# Allegro board 9823-layout.brd
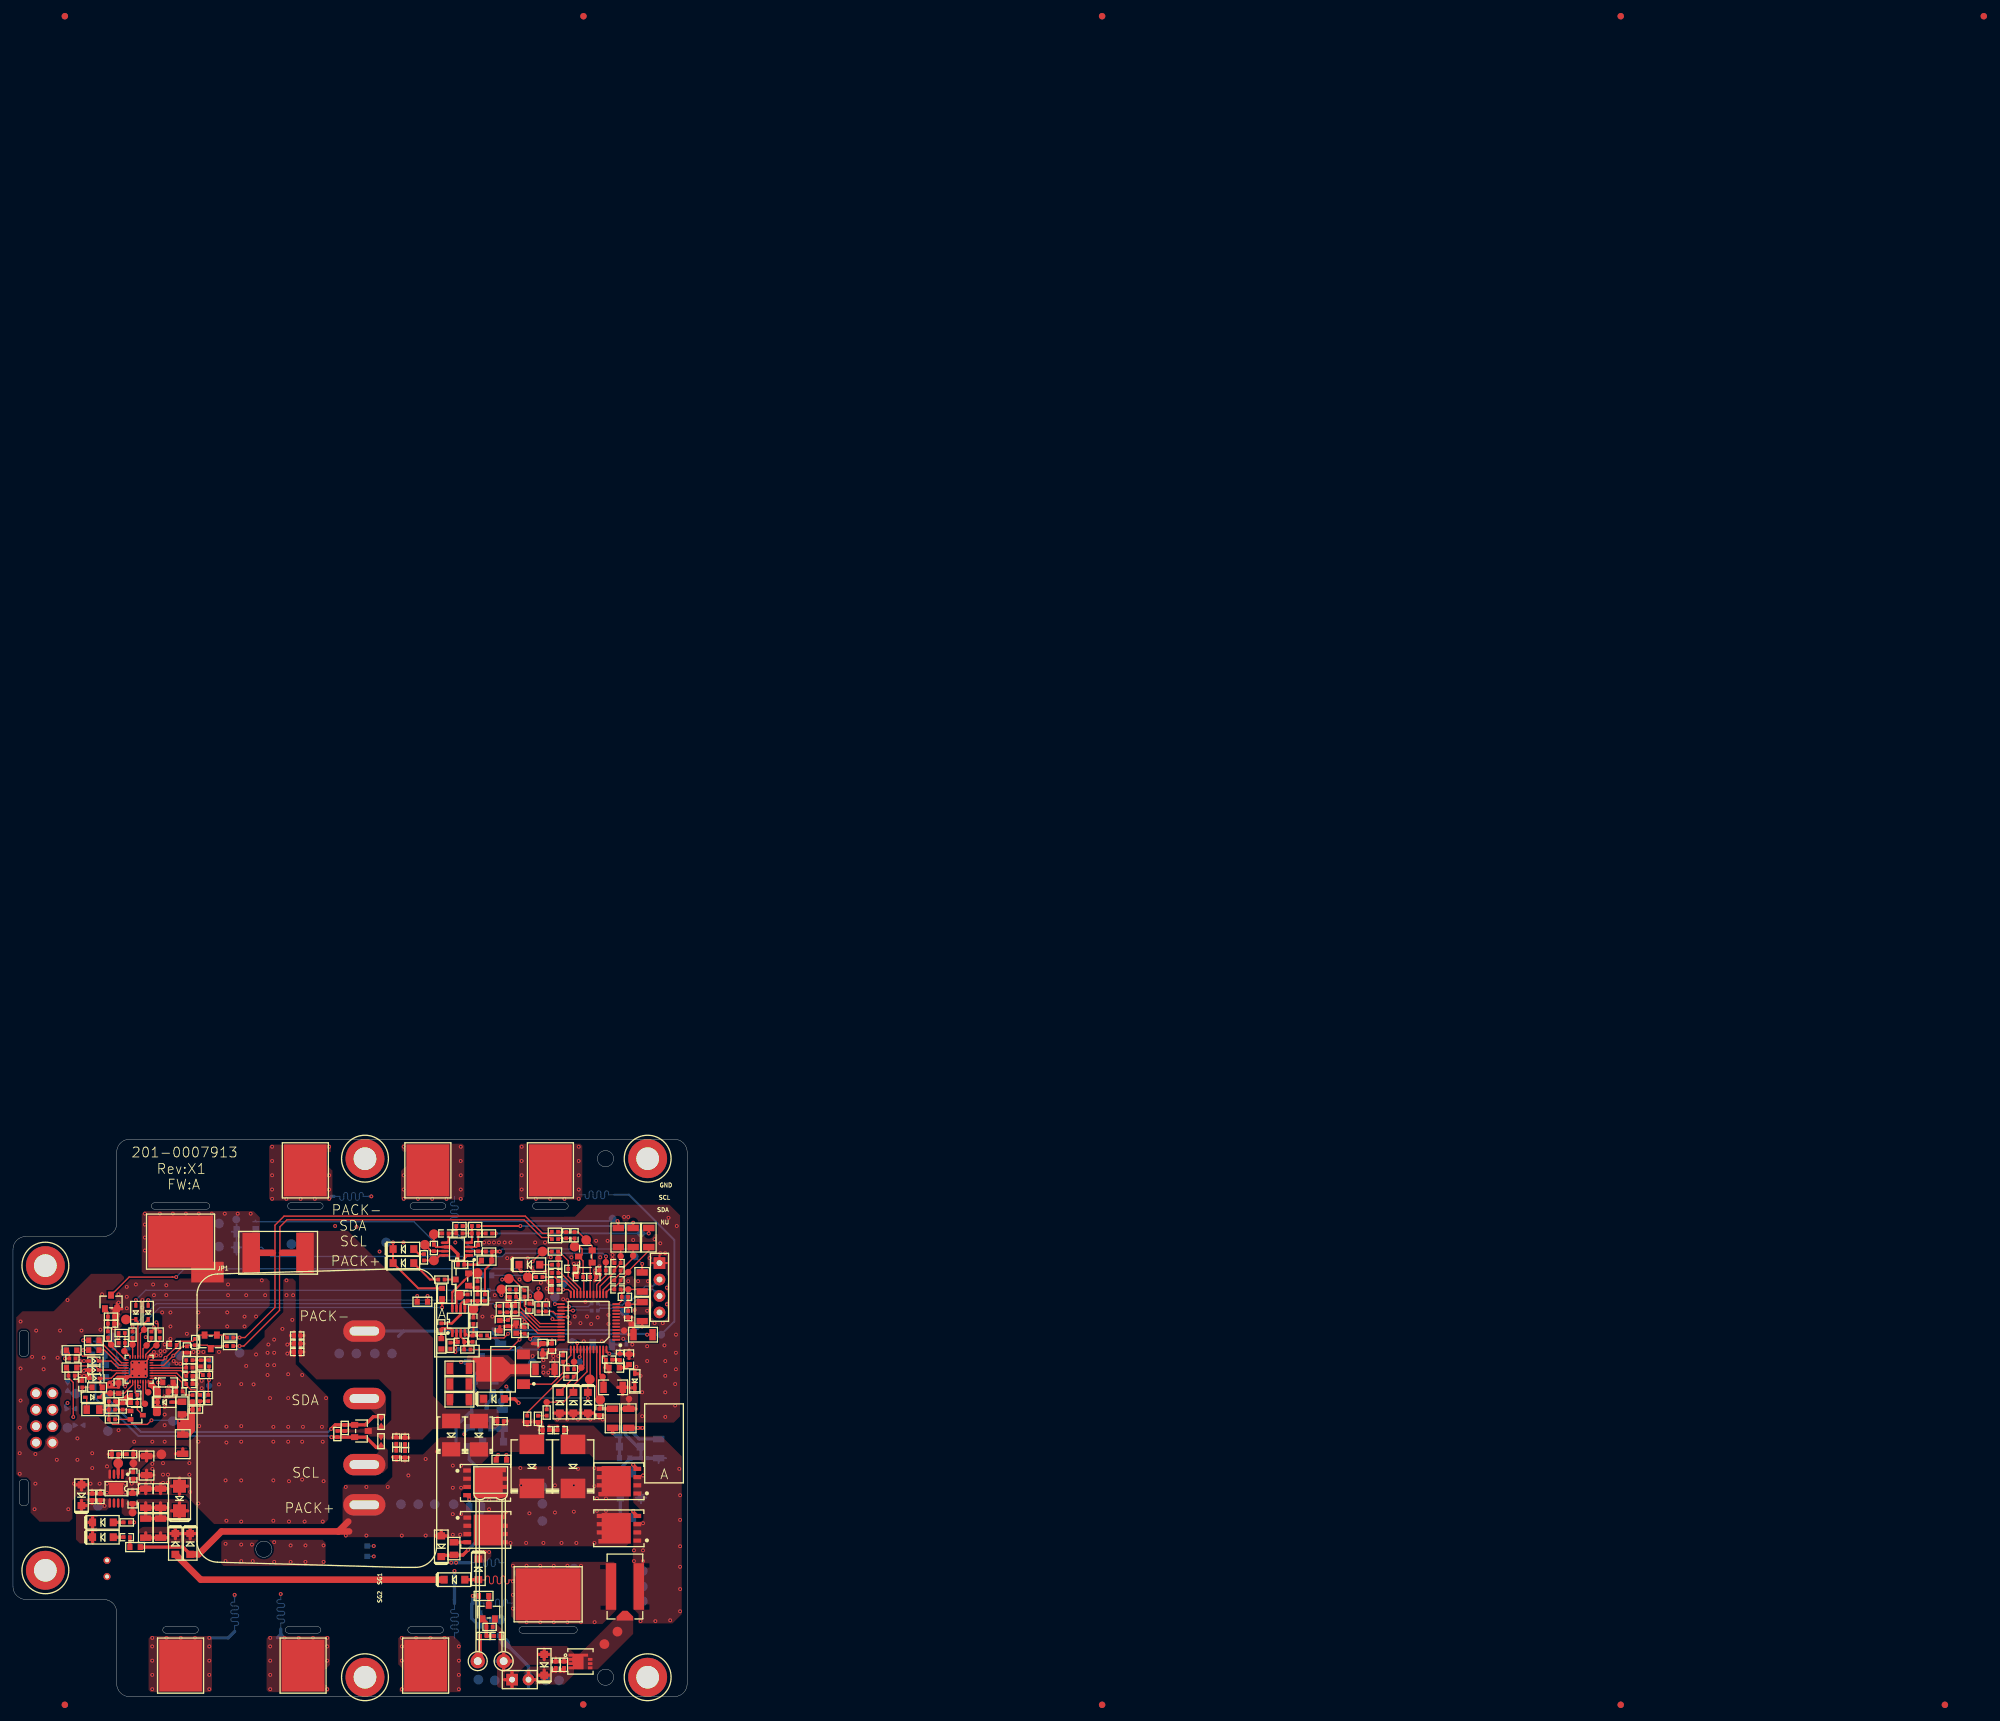
[diagram p0: board, top side]
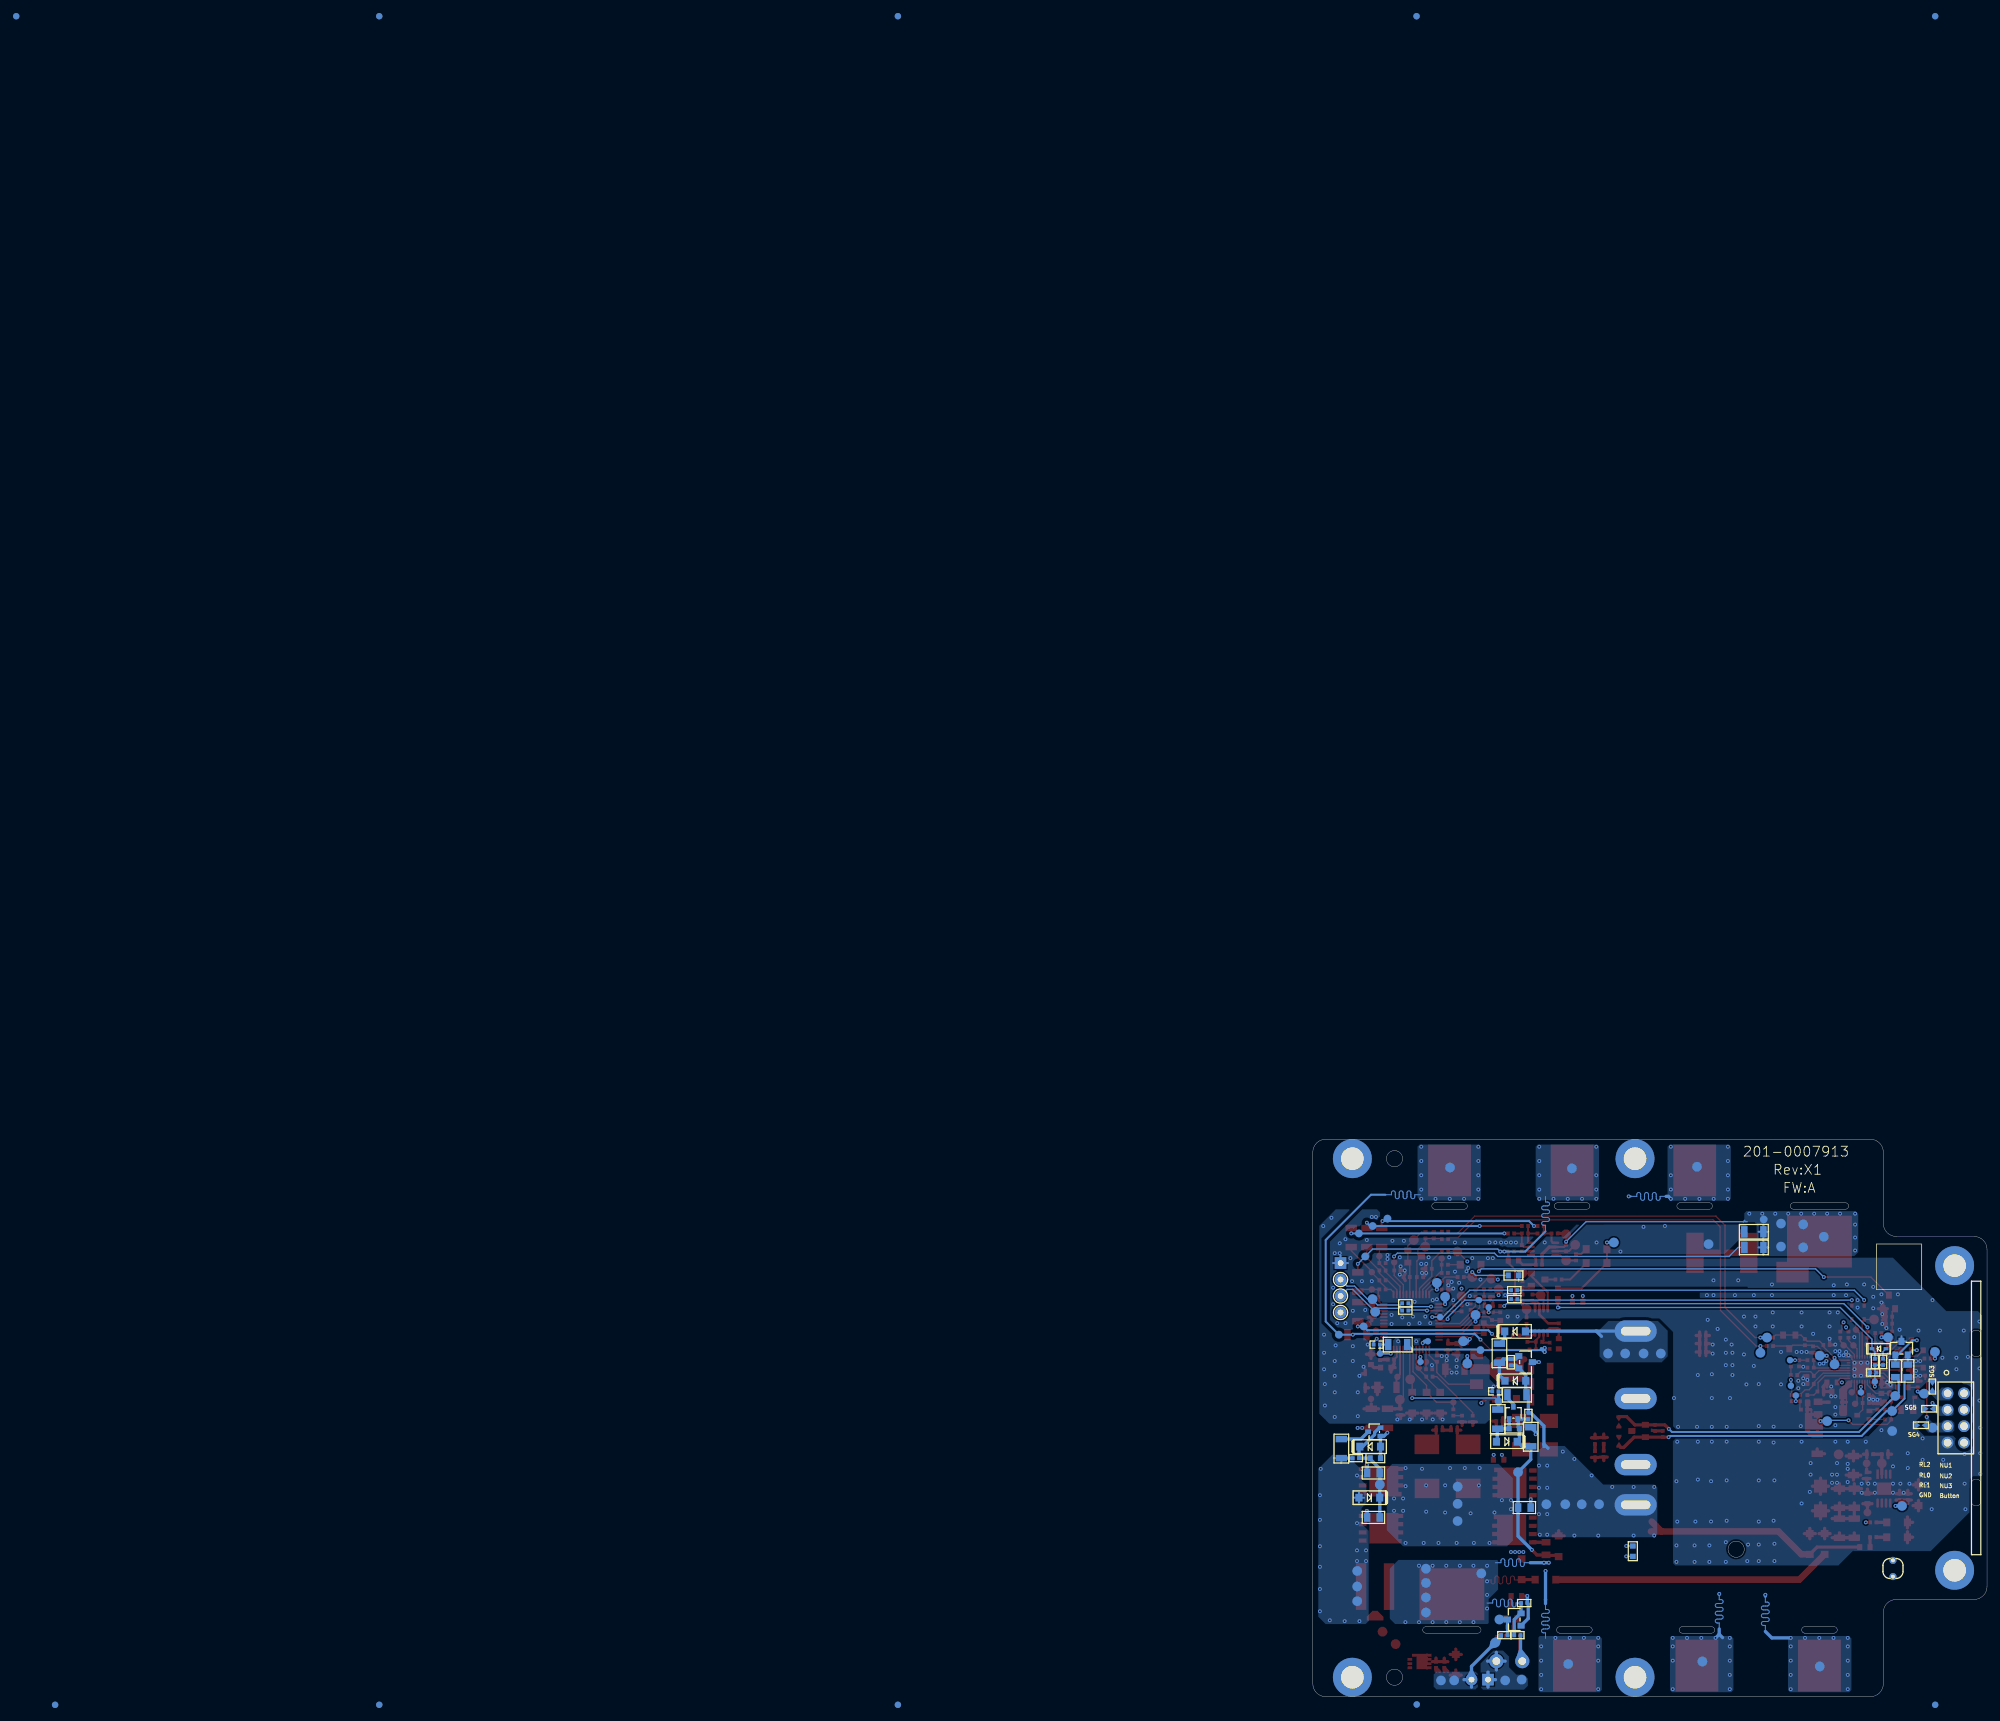
[diagram p1: board, bottom side, seen from below]

Outline 104 x 86 mm; copper layers: TOP, L2, L3, BOTTOM. Coordinates in mm from the lower left corner of the outline.
Outline path: circle c38.7,22.75 r1.25 ; circle c91.4,83 r1.25 ; circle c91.4,3 r1.25 ; 0,69 0,17 arc(0.59,15.59) 2,15 14,15 arc(15.41,14.41) 16,13 16,2 arc(16.59,0.59) 18,0 102,0 arc(103.41,0.59) 104,2 104,84 arc(103.41,85.41) 102,86 18,86 arc(16.59,85.41) 16,84 16,73 arc(15.41,71.59) 14,71 2,71 arc(0.59,70.41) 0,69 ; 0.98,56 arc(1.13,56.35) 1.48,56.5 1.88,56.5 arc(2.23,56.35) 2.38,56 2.38,53 arc(2.23,52.65) 1.88,52.5 1.48,52.5 arc(1.13,52.65) 0.98,53 0.98,56 ; 0.98,33 arc(1.13,33.35) 1.48,33.5 1.88,33.5 arc(2.23,33.35) 2.38,33 2.38,30 arc(2.23,29.65) 1.88,29.5 1.48,29.5 arc(1.13,29.65) 0.98,30 0.98,33 ; 21.85,75.2 arc(21.35,75.7) 21.85,76.2 29.85,76.2 arc(30.35,75.7) 29.85,75.2 21.85,75.2 ; 23.6,9.8 arc(23.1,10.3) 23.6,10.8 28.1,10.8 arc(28.6,10.3) 28.1,9.8 23.6,9.8 ; 42.5,9.8 arc(42,10.3) 42.5,10.8 47,10.8 arc(47.5,10.3) 47,9.8 42.5,9.8 ; 42.85,75.2 arc(42.35,75.7) 42.85,76.2 47.35,76.2 arc(47.85,75.7) 47.35,75.2 42.85,75.2 ; 51.95,56.55 arc(52.1,56.9) 52.45,57.05 55.95,57.05 arc(56.3,56.9) 56.45,56.55 56.45,56.25 arc(56.3,55.9) 55.95,55.75 52.45,55.75 arc(52.1,55.9) 51.95,56.25 51.95,56.55 ; 51.95,46.15 arc(52.1,46.5) 52.45,46.65 55.95,46.65 arc(56.3,46.5) 56.45,46.15 56.45,45.85 arc(56.3,45.5) 55.95,45.35 52.45,45.35 arc(52.1,45.5) 51.95,45.85 51.95,46.15 ; 51.95,35.95 arc(52.1,36.3) 52.45,36.45 55.95,36.45 arc(56.3,36.3) 56.45,35.95 56.45,35.65 arc(56.3,35.3) 55.95,35.15 52.45,35.15 arc(52.1,35.3) 51.95,35.65 51.95,35.95 ; 51.95,29.75 arc(52.1,30.1) 52.45,30.25 55.95,30.25 arc(56.3,30.1) 56.45,29.75 56.45,29.45 arc(56.3,29.1) 55.95,28.95 52.45,28.95 arc(52.1,29.1) 51.95,29.45 51.95,29.75 ; 61.4,9.8 arc(60.9,10.3) 61.4,10.8 65.9,10.8 arc(66.4,10.3) 65.9,9.8 61.4,9.8 ; 61.75,75.2 arc(61.25,75.7) 61.75,76.2 66.25,76.2 arc(66.75,75.7) 66.25,75.2 61.75,75.2 ; 78.55,9.8 arc(78.05,10.3) 78.55,10.8 86.55,10.8 arc(87.05,10.3) 86.55,9.8 78.55,9.8 ; 80.65,75.2 arc(80.15,75.7) 80.65,76.2 85.15,76.2 arc(85.65,75.7) 85.15,75.2 80.65,75.2

## Design rules (mm)
net group CLS2: nets CELL+7_PAD N29258 N29414 N29624 N29862 N30134 N30324
net group CLS3: nets CELL1+ CELL2+ CELL3+ CELL4+ CELL5+ CELL6+ VCELL+

## Placement (name value [footprint] x y rotation side)
C1  0.47uF/100V  [R-C-1206]  92.57 47.72 180 top
C2  2.2uF/50V  [R-C-0603]  92.74 50.77 0 top
C3  2200pF/50V  [R-C-0402]  91.95 52 0 top
C4  2.2uF/50V  [R-C-0603]  95.03 52.04 90 top
C5  2200pF/50V  [R-C-0402]  93.63 52.42 90 top
C6  1uF/100V  [R-C-1206]  82.07 50.51 0 top
C7  1000pF/50V  [R-C-0402]  77.12 61.69 180 top
C8  0.1uF/50V  [R-C-0402]  16.92 44.78 270 top
C9  2.2uF/16V  [R-C-0603]  81.7 53.67 270 top
C10  0.1uF/50V  [R-C-0402]  83.15 53.99 270 top
C11  0.1uF/50V  [R-C-0402]  74.71 9.37 0 top
C12  1000pF/25V  [R-C-0402]  9.17 52.16 0 top
C13  2.2uF/16V  [R-C-0603]  77.63 56.86 90 top
C14  0.1uF/50V  [R-C-0402]  78.92 56.49 90 top
C15  0.1uF/25V/FLEX  [R-C-0402]  94.14 54.32 0 bottom
C16  1000pF/25V  [R-C-0402]  9.05 49.53 0 top
C17  2.2uF/16V  [R-C-0603]  75.09 57.24 270 top
C18  0.1uF/50V  [R-C-0402]  76.36 57.63 270 top
C19  1000pF/25V  [R-C-0402]  10.7 48.2 90 top
C20  1000pF/25V  [R-C-0402]  16.79 54.58 180 top
C21  100pF/50V  [R-C-0402]  76.23 59.78 270 top
C25  1000pF/50V  [R-C-0402]  79.66 60.17 90 top
C29  1000pF/50V  [R-C-0402]  82.2 59.91 90 top
C31  0.1uF/25V/FLEX  [R-C-0402]  94.9 59.02 90 top
C34  0.1uF/25V/FLEX  [R-C-0402]  94.39 61.69 180 top
C38  0.1uF/25V/FLEX  [R-C-0402]  93.25 62.83 180 top
C40  0.1uF/25V/FLEX  [R-C-0402]  93.25 64.23 180 top
C41  2.2uF/6.3V  [R-C-0402]  83.64 62.81 180 top
C43  1000pF/50V  [R-C-0402]  86.14 66.01 0 top
C46  0.1uF/25V/FLEX  [R-C-0402]  93.25 65.75 180 top
C47  100pF/50V  [R-C-0402]  85.33 71.19 270 top
C48  0.1uF/50V  [R-C-0402]  86.62 71.19 270 top
C49  1000pF/50V  [R-C-0402]  83.64 64.1 180 top
C51  0.1uF/25V/FLEX  [R-C-0402]  93.25 66.9 180 top
C54  0.1uF/50V  [R-C-0402]  89.53 64.75 0 top
C55  0.1uF/50V  [R-C-0402]  87.46 64.73 180 top
C56  0.1uF/25V/FLEX  [R-C-0402]  90.96 65.75 180 top
C57  0.1uF/50V  [R-C-0402]  83.64 65.37 180 top
C58  0.1uF/50V  [R-C-0402]  84.49 41.12 180 top
C59  0.1uF/50V  [R-C-0402]  82.2 41.12 180 top
C60  0.1uF/50V  [R-C-0402]  60.47 37.4 90 top
C61  2200pF/50V  [R-C-0402]  59.13 37.46 90 top
C64  0.1uF/50V  [R-C-0402]  60.47 39.47 90 top
C65  2200pF/50V  [R-C-0402]  59.13 39.5 90 top
C66  0.1uF/25V/FLEX  [R-C-0402]  66.07 57.12 90 top
C67  0.47uF/25V  [R-C-0402]  70.13 61.56 270 top
C68  0.1uF/25V/FLEX  [R-C-0402]  69.12 54.75 0 top
C69  0.1uF/25V/FLEX  [R-C-0402]  70.9 55.23 90 top
C71  0.1uF/25V/FLEX  [R-C-0402]  71.02 58.01 90 top
C72  0.1uF/25V/FLEX  [R-C-0402]  69.12 66.64 180 top
C73  0.1uF/50V  [R-C-0402]  83.72 4.92 90 top
C74  0.47uF/25V  [R-C-0402]  64.93 69.22 90 top
C75  0.1uF/25V/FLEX  [R-C-0402]  71.76 69.18 90 top
C76  NU  [R-C-0402]  90.45 43.94 270 top
C77  0.1uF/25V/FLEX  [R-C-0402]  71.28 71.47 180 top
C78  0.1uF/25V/FLEX  [R-C-0402]  66.71 71.47 0 top
C79  NU  [R-C-0402]  75.84 47.11 0 bottom
C80  0.1uF/25V/FLEX  [R-C-0402]  68.86 71.47 180 top
C81  1uF/25V/FLEX  [R-C-0603]  16.29 47.59 90 top
C82  NU  [R-C-0402]  18.7 46.58 0 top
C83  1uF/25V/FLEX  [R-C-0603]  23.14 47.08 0 top
C84  2.2uF/25V  [R-C-0603]  23.91 48.48 180 top
C85  2.2uF/100V  [R-C-1206]  22.76 30.62 90 top
C86  NU  [R-C-1206]  20.48 30.62 90 top
C87  0.1uF/100V  [R-C-0603]  18.45 30.57 90 top
C89  10uF/25V  [R-C-1206]  20.6 35.65 270 top
C90  0.1uF/50V  [R-C-0402]  18.57 34.13 270 top
C91  1000pF/50V  [R-C-0402]  13.49 30.83 90 top
C92  0.1uF/50V  [R-C-0402]  17.56 24.61 180 top
C93  0.1uF/25V  [R-C-0402]  27.21 50.77 180 top
C94  0.1uF/25V  [R-C-0402]  27.21 49.5 0 top
C95  0.1uF/25V  [R-C-0402]  27.21 48.23 0 top
C96  0.1uF/25V  [R-C-0402]  25.68 47.08 180 top
C100  NU  [R-C-0402]  43.85 54.47 180 top
C101  NU  [R-C-0402]  43.85 55.72 180 top
C106  1000pF/50V  [R-C-0402]  43.85 53.18 180 top
C107  0.1uF/25V  [R-C-0402]  28.1 54.7 270 top
C109  0.1uF/25V  [R-C-0402]  24.76 54.27 180 top
C110  0.1uF/25V  [R-C-0402]  26.83 53.56 270 top
C111  1000pF/50V  [R-C-0402]  15.12 57.55 180 top
CELL+1  PACK therminal 1pin  [O-PAD-R800X660-NP]  25.85 4.8 0 top
CELL+2  PACK therminal 1pin  [O-PAD-R800X660-NP]  45.1 81.2 0 top
CELL+3  PACK therminal 1pin  [O-PAD-R800X660-NP]  44.75 4.8 0 top
CELL+4  PACK therminal 1pin  [O-PAD-R800X660-NP]  64 81.2 0 top
CELL+5  PACK therminal 1pin  [O-PAD-R800X660-NP]  63.65 4.8 0 top
CELL+6  PACK therminal 1pin  [O-PAD-R800X660-NP]  82.9 81.2 0 top
CELL+7  PACK therminal 1pin  [O-PAD-R1000X800-NP]  82.55 15.8 270 top
CELL-1  PACK therminal 1pin  [O-PAD-R1000X800-NP]  25.85 70.2 90 top
D1  1N4148W-7-F  [R-SOD-123]  74.2 45.94 180 top
D2  1N4148W-7-F  [R-SOD-123]  71.79 19.65 90 top
D3  NU  [R-SOD-123]  86.45 45.35 90 top
D4  NU  [R-SOD-123]  84.36 45.35 90 top
D5  NU  [R-SOD-323]  95.92 48.74 270 top
D6  NU  [R-SOD-123]  88.68 45.35 90 top
D7  MMSZ5246B-7-F  [R-SOD-123]  10.57 31.08 270 top
D8  SMBJ58A-13-F  [R-SMB]  67.59 40.35 270 top
D9  SMBJ58A-13-F  [R-SMB]  71.87 40.34 270 top
D10  NU  [R-SOD-523]  12.48 51.78 0 top
D11  PESD5V0U2BT  [R-SOT-23-K1K2K3]  13.19 53.76 180 bottom
D13  NU  [R-SOD-523]  12.48 50.39 0 top
D14  NU  [R-SOD-523]  12.6 49.12 0 top
D15  NU  [R-SOT-23-K1K2K3]  53.75 40.99 270 top
D16  BAV99LT1G  [R-SOT-23-AK2K1]  88.3 67.91 90 top
D17  1N4148W-7-F  [R-SOD-123]  79.66 66.64 180 top
D18  NU  [R-SMC]  86.39 35.53 270 top
D19  NU  [R-SMC]  80.04 35.53 270 top
D20  MMSZ5246B-7-F  [R-SOD-123]  72.76 48.74 0 bottom
D27  MMSZ5246B-7-F  [R-SOD-123]  66.07 23.21 270 top
D28  1N4148W-7-F  [R-SOD-123]  60.23 66.9 180 top
D30  MMSZ5246B-7-F  [R-SOD-123]  95.28 30.7 180 bottom
D31  1N4148W-7-F  [R-SOD-123]  72.8 56.36 0 bottom
D32  1N4148W-7-F  [R-SOD-123]  95.15 38.58 0 bottom
D33  MMSZ5246B-7-F  [R-SOD-123]  81.95 4.92 270 top
D34  1N4148W-7-F  [R-SOD-123]  60.23 69.06 180 top
D35  1N4148W-7-F  [R-SOD-123]  74.07 39.34 180 bottom
D36  LBAT54HT1G  [R-SOD-323]  12.24 46.2 0 top
D37  NU  [R-SOD-323]  16.67 53.69 0 bottom
D38  LBAT54HT1G  [R-SOD-323]  23.4 45.43 180 top
D39  1N4148W-7-F  [R-SOD-123]  68.1 18.05 180 top
D40  1N4148W-7-F  [R-SOD-123]  25.05 23.56 90 top
D41  NU  [R-SMA]  25.68 30.57 270 top
D42  1N4148W-7-F  [R-SOD-123]  27.34 23.56 90 top
D44  1N4148W-7-F  [R-SOD-123]  13.87 26.89 180 top
D45  1N4148W-7-F  [R-SOD-123]  13.87 24.61 180 top
D47  BAV99LT1G  [R-SOT-23-AK2K1]  30.51 54.74 180 top
D50  LBAT54HT1G  [R-SOD-323]  18.95 59.28 270 top
D51  LBAT54HT1G  [R-SOD-323]  20.86 59.28 270 top
F1  N5F  [W-F-2-400-3000X520X200-B]  73.69 20.49 0 top
F4  D6SE09-30  [R-F-3-950X500X200]  94.4 17 90 top
FCT2  0.15mm/2OZ  [O-F-2-560X160-2OZ-15]  73.18 20.67 180 bottom
FCT3  0.15mm/2OZ  [O-F-2-560X160-2OZ-15]  90.07 77.44 0 bottom
FCT4  0.15mm/2OZ  [O-F-2-560X160-2OZ-15]  68.1 11.65 90 bottom
FCT5  0.15mm/2OZ  [O-F-2-560X160-2OZ-15]  68.1 74.52 270 bottom
FCT6  0.15mm/2OZ  [O-F-2-560X160-2OZ-15]  41.31 13.18 90 bottom
FCT7  0.15mm/2OZ  [O-F-2-560X160-2OZ-15]  52.23 77.18 0 bottom
FCT8  0.15mm/2OZ  [O-F-2-560X160-2OZ-15]  34.19 12.79 90 bottom
FCT9  0.2mm/1OZ  [O-F-2-560X160-2OZ-15]  74.71 18 0 top
FCT10  0.2mm/1OZ  [O-F-2-560X160-2OZ-15]  74.45 14.45 180 bottom
J2  BQ769142_Pro_PORT  [SIP4-2R54]  99.73 66.9 270 top
J3  output  [W-CON-8-254-998X500X254]  4.82 43 270 bottom
J4  output  [W-CON-4-4560X3646X2380]  46.87 43 0 top
J5  JUMP  [SIP2-2R54]  76.98 2.63 0 top
JP1  Point Grounding  [O-PAD-JUMP]  30 65.5 90 top
NOREF  -  [unnamed]  97.9 83 0 top
NOREF#2  -  [unnamed]  5 66.5 0 top
NOREF#3  -  [unnamed#2]  168 -1.25 0 top
NOREF#4  -  [unnamed]  97.9 3 0 top
NOREF#5  -  [unnamed]  5 19.5 0 top
NOREF#6  -  [unnamed#2]  304 259.25 0 top
NOREF#7  -  [unnamed]  54.3 3 0 top
NOREF#8  -  [unnamed#2]  88 259.25 0 top
NOREF#9  -  [#3]  5.69 258 90 top
NOREF#10  -  [unnamed]  54.3 83 0 top
NOREF#11  -  [unnamed#2]  8 259.25 0 top
NOREF#12  -  [#3]  0 44.22 0 top
NOREF#13  -  [unnamed#2]  298 -1.25 0 top
NOREF#14  -  [unnamed#2]  87.97 -1.2 0 top
NOREF#15  -  [unnamed#2]  168 259.25 0 top
NOREF#16  -  [#3]  0 -1.75 0 top
NOREF#17  -  [#3]  38.86 0 90 top
NOREF#18  -  [#3]  11.89 -5 90 top
NOREF#19  -  [#3]  3.49 -3.5 0 top
NOREF#20  -  [unnamed#2]  8 -1.25 0 top
NOREF#21  -  [unnamed#2]  248 -1.25 0 top
NOREF#22  -  [unnamed#2]  248 259.25 0 top
NOREF#23  -  [unnamed#2]  248 -1.25 180 bottom
NOREF#24  -  [unnamed#2]  8 259.25 180 bottom
NOREF#25  -  [unnamed#2]  248 259.25 180 bottom
NOREF#26  -  [unnamed#2]  304 259.25 180 bottom
NOREF#27  -  [unnamed#2]  298 -1.25 180 bottom
NOREF#28  -  [unnamed#2]  168 259.25 180 bottom
NOREF#29  -  [unnamed#2]  87.97 -1.2 180 bottom
NOREF#30  -  [unnamed#2]  88 259.25 180 bottom
NOREF#31  -  [unnamed#2]  8 -1.25 180 bottom
NOREF#32  -  [unnamed#2]  168 -1.25 180 bottom
NTC1  MF52D-103F3435FBL25  [W-NTC-2-250-260X260X2500]  14.51 19.78 270 bottom
NTC2  103KT1608T1P  [R-R-0603]  73.06 64.99 0 bottom
NTC3  103KT1608T1P  [R-R-0603]  54.64 22.45 90 bottom
NTC4  103KT1608T1P  [R-R-0603]  63.15 60.93 0 top
NTC5  103KT1608T1P  [R-R-0603]  75.34 36.54 0 top
Q1  BCP56-10T1G  [R-SOT-223-BCE]  75.6 50.51 90 top
Q2  NU  [R-SO-8-127-615X515X100-1]  93.48 25.98 90 top
Q3  SMMBT3906WT1G  [R-SOT-323-BEC]  19.08 43.43 270 top
Q4  MMBTA56LT1G  [R-SOT-23-BEC]  72.93 11.91 90 bottom
Q5  BSS123-7-F  [R-SOT-23-GSD]  73.39 13.05 0 top
Q10  BSC014N06NS  [R-SO-8-127-615X515X100-1]  72.87 32.99 270 top
Q11  NU  [R-SO-8-127-615X515X100-1]  72.9 25.73 270 top
Q12  BSS123-7-F  [R-SOT-23-GSD]  71.18 51.62 270 bottom
Q13  SMMBT3906WT1G  [R-SOT-323-BEC]  73.06 43.78 180 bottom
Q14  MMBTA56LT1G  [R-SOT-23-BEC]  69.25 64.36 90 top
Q15  SMMBT3906WT1G  [R-SOT-323-BEC]  94.52 40.86 90 bottom
Q16  BSC014N06NS  [R-SO-8-127-615X515X100-1]  93.48 33.24 90 top
Q18  BSZ063N04LS6  [R-TSDSON-8]  87.53 5.43 270 top
Q19  NDS331N  [R-SOT-23-GSD]  15.13 60.9 0 top
R1  4.99K  [R-R-0402]  80.98 42.87 270 top
R2  4.99K  [R-R-0402]  79.33 42.87 270 top
R3  4.99K  [R-R-0402]  82.33 43.84 270 top
R4  4.99K  [R-R-0402]  86.01 49.37 180 top
R5  NU  [R-R-1206]  68.86 48.23 0 top
R6  221  [R-R-1206]  68.86 45.81 0 top
R7  100  [R-R-1206]  94.98 42.94 90 top
R8  221  [R-R-1206]  68.86 50.64 180 top
R9  10K  [R-R-0402]  86.06 50.51 0 top
R10  10K  [R-R-0402]  16.77 56.1 0 top
R11  NU  [R-R-0402]  84.87 52.16 270 top
R12  4.7  [R-R-0402]  77.11 62.82 0 top
R14  100K  [R-R-0402]  15.27 42.78 180 top
R15  20  [R-R-1206]  90.91 54.32 0 bottom
R16  100K  [R-R-0402]  15.27 44.29 180 top
R17  1M  [R-R-0402]  15.27 45.56 180 top
R18  1M  [R-R-0402]  18.7 45.31 0 top
R19  100  [R-R-0402]  75.09 59.78 90 top
R20  100K  [R-R-0402]  77.5 59.78 270 top
R21  100  [R-R-1206]  97.19 55.85 180 top
R22  10K  [R-R-0603]  66.2 62.2 90 top
R23  100  [R-R-0603]  12.98 47.72 180 top
R24  100  [R-R-0603]  9.05 50.77 180 top
R25  4.7  [R-R-0402]  78.9 62.2 270 top
R26  100  [R-R-1206]  97.06 59.4 90 top
R27  100  [R-R-0603]  9.05 53.43 180 top
R28  100  [R-R-0402]  72.93 61.33 180 bottom
R29  1M  [R-R-0402]  75.21 42.51 0 top
R30  100K  [R-R-0402]  74.45 9.49 0 bottom
R31  100  [R-R-0402]  72.93 62.71 180 bottom
R32  100  [R-R-1206]  97.06 63.98 270 top
R33  4.7  [R-R-0402]  81.06 59.91 270 top
R34  2M  [R-R-0402]  73.52 10.76 0 top
R37  100K  [R-R-0402]  72.55 9.37 0 top
R38  49.9  [R-R-0402]  89.74 59.56 0 bottom
R39  1K  [R-R-0402]  71.39 14.45 180 bottom
R40  49.9  [R-R-0402]  89.74 60.69 0 bottom
R41  100  [R-R-1206]  98.07 70.83 270 top
R42  10K  [R-R-0603]  72.59 15.54 0 top
R43  4.02M  [R-R-0402]  72.44 9.49 0 bottom
R44  100K  [R-R-0402]  84.99 4.92 90 top
R45  1M  [R-R-0402]  50.04 40.52 270 top
R46  100  [R-R-1206]  95.66 70.83 270 top
R47  1M  [R-R-0402]  51.18 41.45 90 top
R50  4.7  [R-R-0402]  83.6 68.67 0 top
R51  100  [R-R-1206]  93.38 70.83 270 top
R53  4.7  [R-R-0402]  81.18 64.74 0 top
R56  100  [R-R-1206]  35.97 69.31 0 bottom
R57  10K  [R-R-0402]  83.64 66.64 180 top
R58  10  [R-R-1206]  35.97 71.72 0 bottom
R59  100  [R-R-0402]  83.59 71.73 0 top
R60  100  [R-R-0402]  83.61 70.58 0 top
R61  3M  [R-R-0402]  73.46 51.6 270 bottom
R62  1K  [R-R-1206]  72.51 46.58 180 bottom
R63  10  [R-R-0805]  94.65 34.51 180 bottom
R64  10  [R-R-0805]  71.36 29.18 180 bottom
R65  100  [R-R-1206]  99.6 38.27 270 bottom
R67  3M  [R-R-0402]  97.37 36.8 0 bottom
R68  30.1K  [R-R-1206]  75.21 52.98 270 bottom
R69  100  [R-R-0603]  66.07 54.45 270 top
R70  3M  [R-R-0402]  70.75 43.31 90 bottom
R71  1M  [R-R-0402]  71.66 63.59 270 top
R72  1K  [R-R-0402]  67.47 54.14 90 top
R73  10K  [R-R-0603]  72.93 41.37 0 bottom
R74  510  [R-R-1206]  70.39 40.1 90 bottom
R75  1K  [R-R-0402]  70.09 53.56 180 top
R76  3M  [R-R-0402]  71.66 61.56 270 top
R77  100K  [R-R-0402]  66.09 64.36 0 top
R78  1K  [R-R-0402]  72.65 55.72 180 top
R79  0  [R-R-0402]  72.8 61.56 90 top
R80  10K  [R-R-0603]  94.35 36.8 180 bottom
R81  NU  [R-R-0805]  94.65 27.65 180 bottom
R82  NU  [R-R-0805]  68.02 22.85 90 top
R84  100  [R-R-0603]  73.06 67.28 0 top
R85  20K  [R-R-0402]  63.4 67.79 90 top
R86  5.1K  [R-R-1206]  92.48 42.94 90 top
R87  1K  [R-R-0402]  73.44 68.67 180 top
R89  10K  [R-R-1206]  75.47 42.82 90 bottom
R90  1K  [R-R-0402]  73.41 71.47 180 top
R91  10  [R-R-0805]  12.35 44.29 180 top
R92  1K  [R-R-0402]  71.28 72.61 180 top
R93  1K  [R-R-0402]  68.86 72.61 0 top
R94  NU  [R-R-0402]  16.03 51.66 90 bottom
R95  5.1K  [R-R-0402]  17.3 51.66 90 bottom
R97  NU  [R-R-0402]  17.56 50.01 0 bottom
R99  10  [R-R-0805]  26.07 44.53 270 top
R101  20  [R-R-1206]  20.48 26 90 top
R102  1  [R-R-1206]  26.19 38.96 90 top
R103  100  [R-R-0402]  27.72 46.05 90 top
R104  20  [R-R-1206]  22.76 26 90 top
R105  7.15M  [R-R-0402]  18.06 37.41 0 top
R106  1M  [R-R-0402]  28.22 44.29 180 top
R107  100  [R-R-0402]  28.86 46.07 90 top
R108  1M  [R-R-0402]  30.13 46.07 270 top
R110  100  [R-R-0402]  29.77 49.62 180 top
R111  10K  [R-R-0402]  17.56 26.89 180 top
R112  619K  [R-R-0402]  15.75 37.41 0 top
R113  1M  [R-R-0402]  30.26 51.43 270 top
R115  1M  [R-R-0402]  12.22 30.83 270 top
R116  100  [R-R-0402]  27.21 51.91 180 top
R118  100K  [R-R-0603]  18.84 23.08 180 top
R119  1M  [R-R-0402]  28.99 51.43 90 top
R120  22  [R-R-0603]  12.48 53.46 0 top
R121  22  [R-R-0805]  12.22 50.26 90 bottom
R122  22  [R-R-0603]  12.48 54.98 0 top
R123  22  [R-R-0805]  14.14 50.26 90 bottom
R127  1K  [R-R-0402]  14.64 55.87 90 top
R128  49.9  [R-R-0402]  18.45 55.85 90 top
R130  100  [R-R-0402]  33.5 55.41 180 top
R131  100  [R-R-0402]  33.49 54.09 180 top
R132  49.9  [R-R-0402]  22.64 55.85 270 top
R133  49.9  [R-R-0402]  21.37 55.85 270 top
R134  2M  [R-R-0402]  15.12 58.63 180 top
RS1  1m  [R-R-3921-92]  40.9 68.48 180 top
SG1  Spark Gap  [O-PSK-2-230X100]  56.8 42.39 270 top
SG2  Spark Gap  [O-PSK-2-230X100]  56.78 39.41 90 top
SG3  Spark Gap  [O-PSK-2-230X100]  8.43 47.85 90 bottom
SG4  Spark Gap  [O-PSK-2-230X100]  10.19 41.88 0 bottom
SG5  Spark Gap  [O-PSK-2-230X100]  8.92 44.42 0 bottom
TA1  Test Point  [O-TP100]  95.03 45.94 180 top
TA2  Test Point  [O-TP100]  90.95 49.35 180 top
TA3  Test Point  [O-TP100]  71.4 52.04 180 top
TA4  Test Point  [O-TP100]  82.33 45.43 180 top
TA5  Test Point  [O-TP100]  87.66 50.77 180 top
TA6  Test Point  [O-TP100]  93.63 52.93 0 bottom
TA7  Test Point  [O-TP150]  90.58 45.81 180 top
TA8  Test Point  [O-TP150]  88.98 48.96 180 top
TA9  Test Point  [O-TP100]  87.41 51.66 0 bottom
TA10  Test Point  [O-TP100]  86.26 54.83 0 bottom
TA11  Test Point  [O-TP100]  86.54 51.66 180 top
TA12  Test Point  [O-TP100]  94.26 56.48 180 top
TA14  Test Point  [O-TP100]  76.87 60.06 0 bottom
TA16  Test Point  [O-TP100]  78.39 61.18 180 bottom
TA17  Test Point  [O-TP100]  84.36 58.56 180 bottom
TA18  Test Point  [O-TP100]  95.41 57.5 180 top
TA20  Test Point  [O-TP100]  94.88 60.55 180 top
TA22  Test Point  [O-TP100]  94.9 62.83 180 top
TA23  Test Point  [O-TP100]  94.9 65.5 180 top
TA24  Test Point  [O-TP150]  42.96 69.82 0 bottom
TA26  Test Point  [O-TP100]  95.66 68.04 180 top
TA27  Test Point  [O-TP150]  88.42 70.45 180 top
TA28  Test Point  [O-TP150]  86.64 69.44 180 top
TA29  Test Point  [O-TP100]  93.73 67.97 180 top
TA30  Test Point  [O-TP100]  91.45 67.02 180 top
TA31  Test Point  [O-TP150]  93.67 32.73 0 bottom
TA32  Test Point  [O-TP150]  72.34 34.64 180 bottom
TA33  Test Point  [O-TP120]  75.34 45.56 90 bottom
TA34  Test Point  [O-TP120]  22.22 43.91 90 top
TA35  Test Point  [O-TP120]  18.45 28.42 270 top
TA36  Test Point  [O-TP150]  16.23 36.01 270 top
TP1  Test Ponit  [O-TP150]  75.34 62.83 180 top
TP2  Test Point  [O-TP120]  78.14 53.47 0 bottom
TP3  Test Ponit  [O-TP150]  80.8 54.83 0 bottom
TP4  Test Ponit  [O-TP150]  78.9 58.9 0 bottom
TP5  Test Point  [O-TP120]  99.98 55.85 0 bottom
TP6  Test Point  [O-TP150]  57.56 70.07 180 bottom
TP7  Test Ponit  [O-TP150]  76.48 64.48 180 top